# KiCad board panel.opm-inline.kicad_pcb
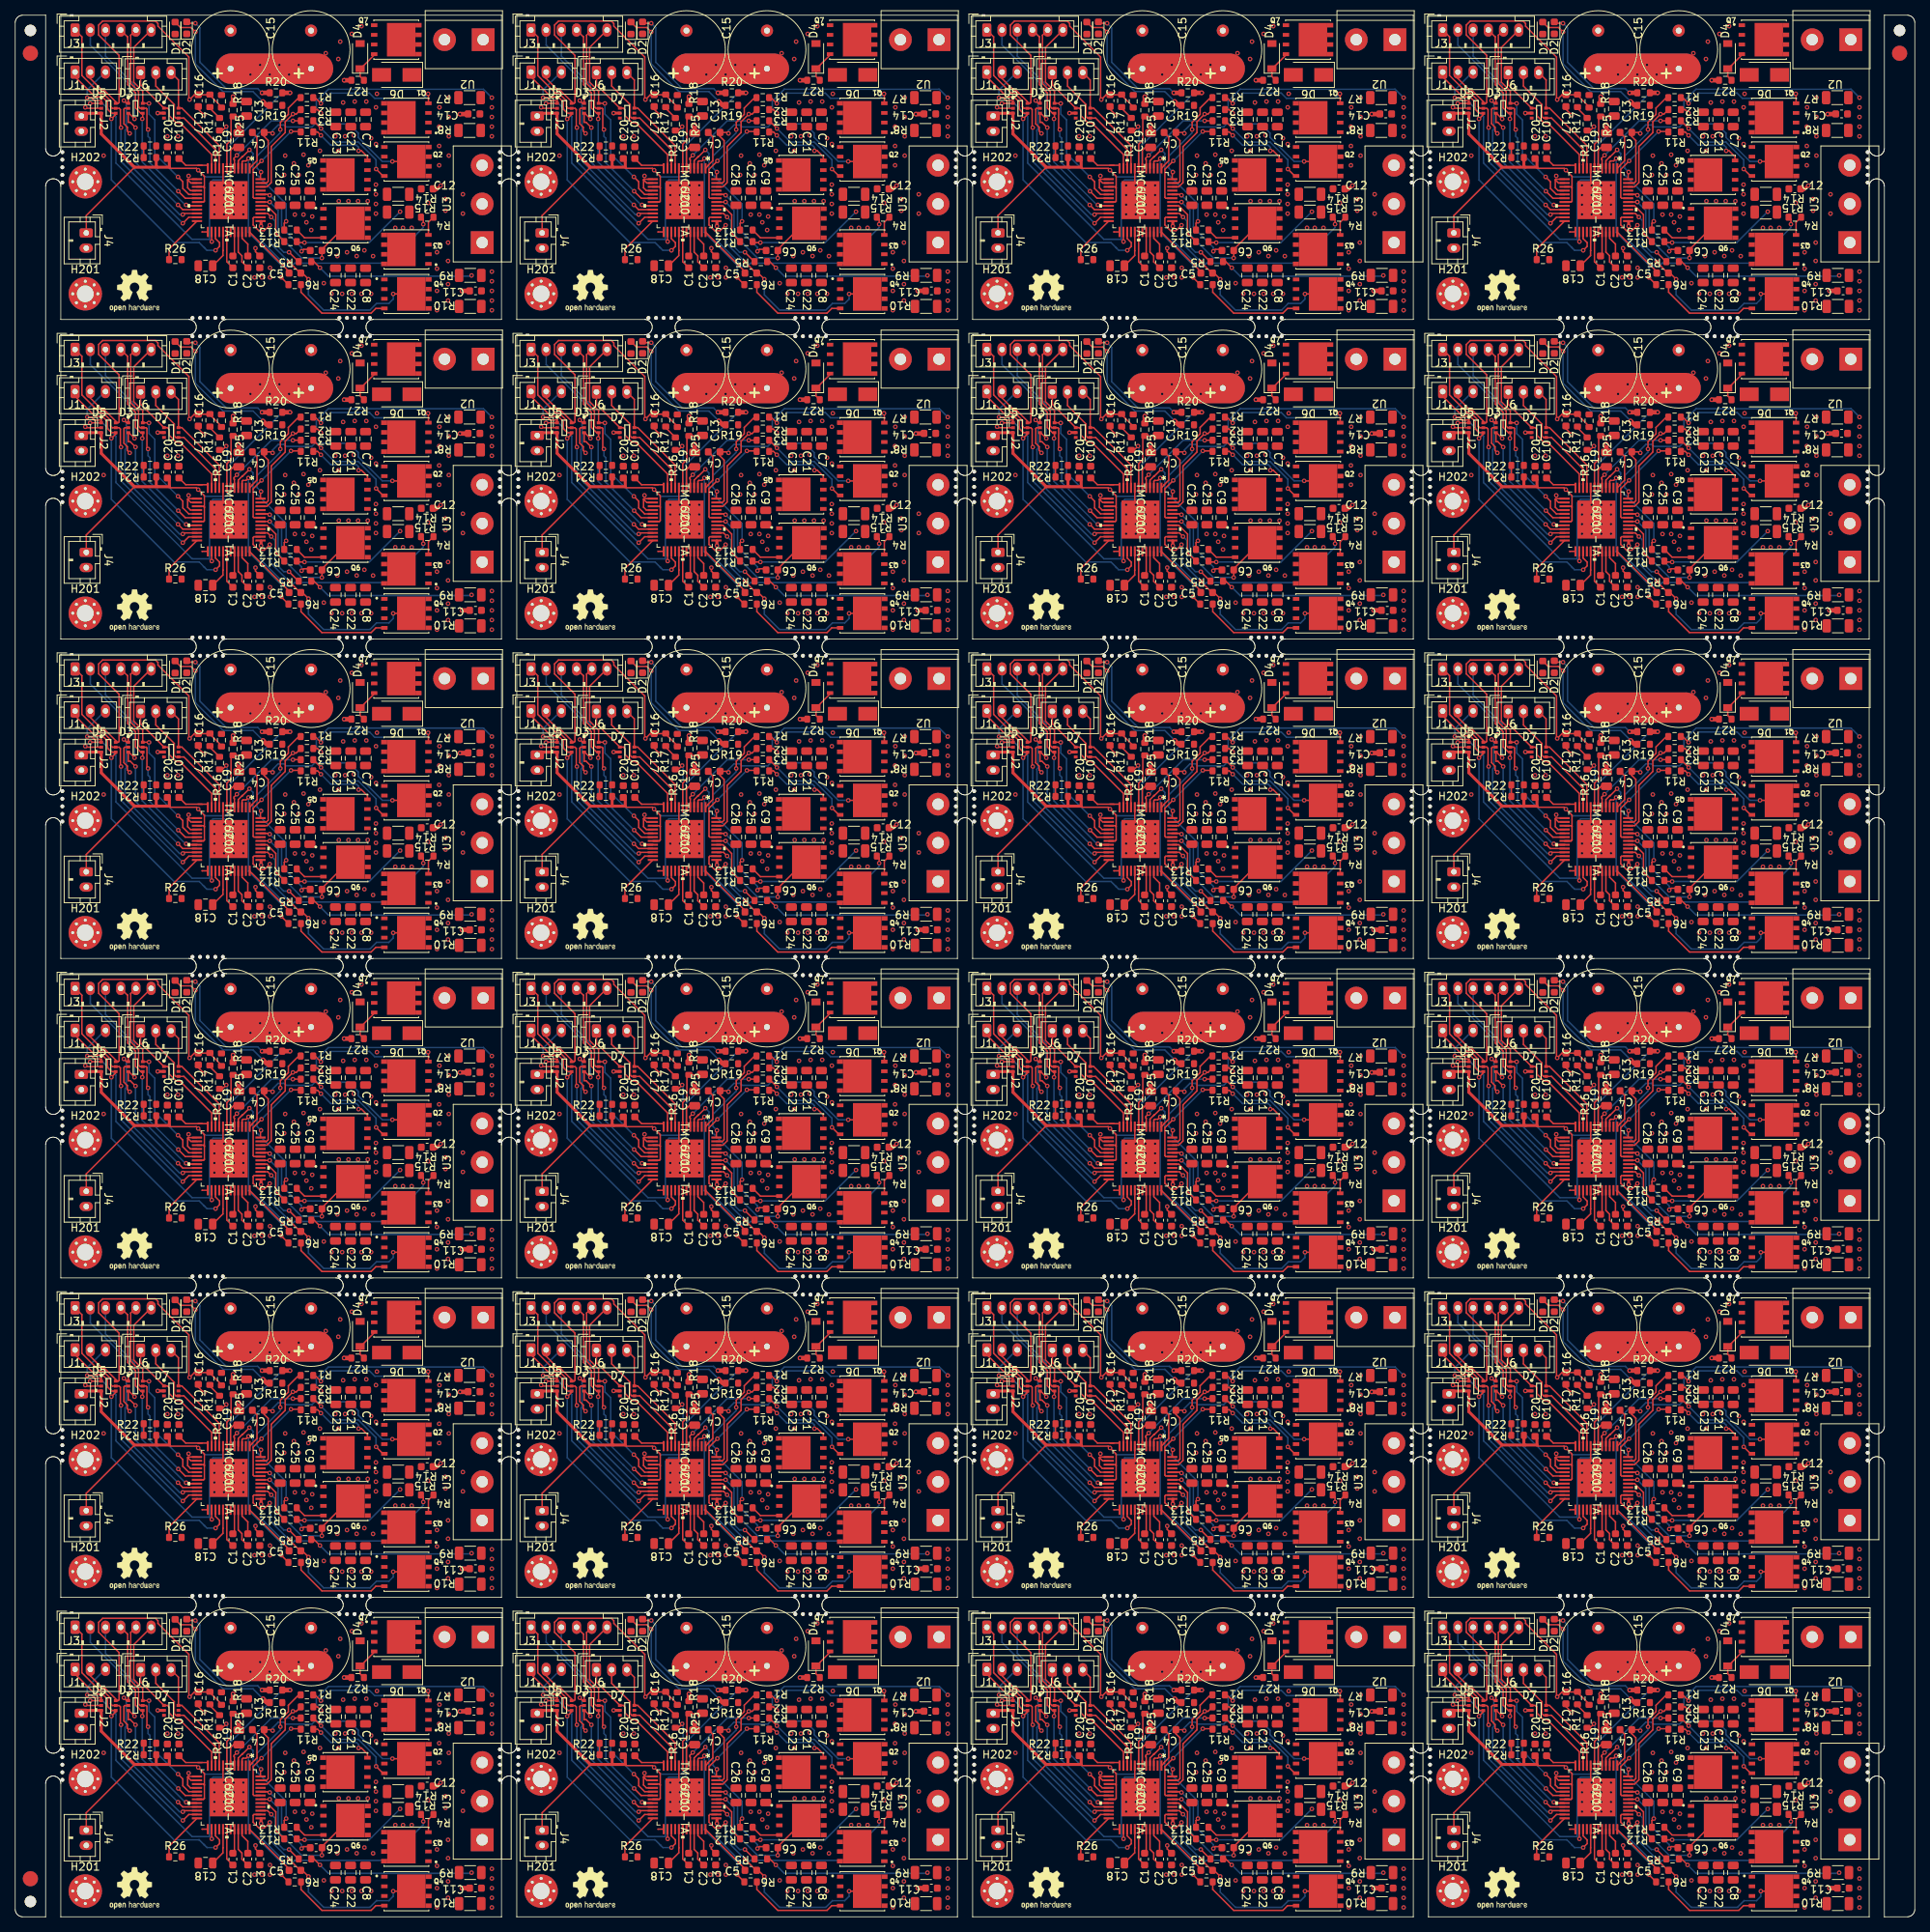
[diagram p0: board, top side]
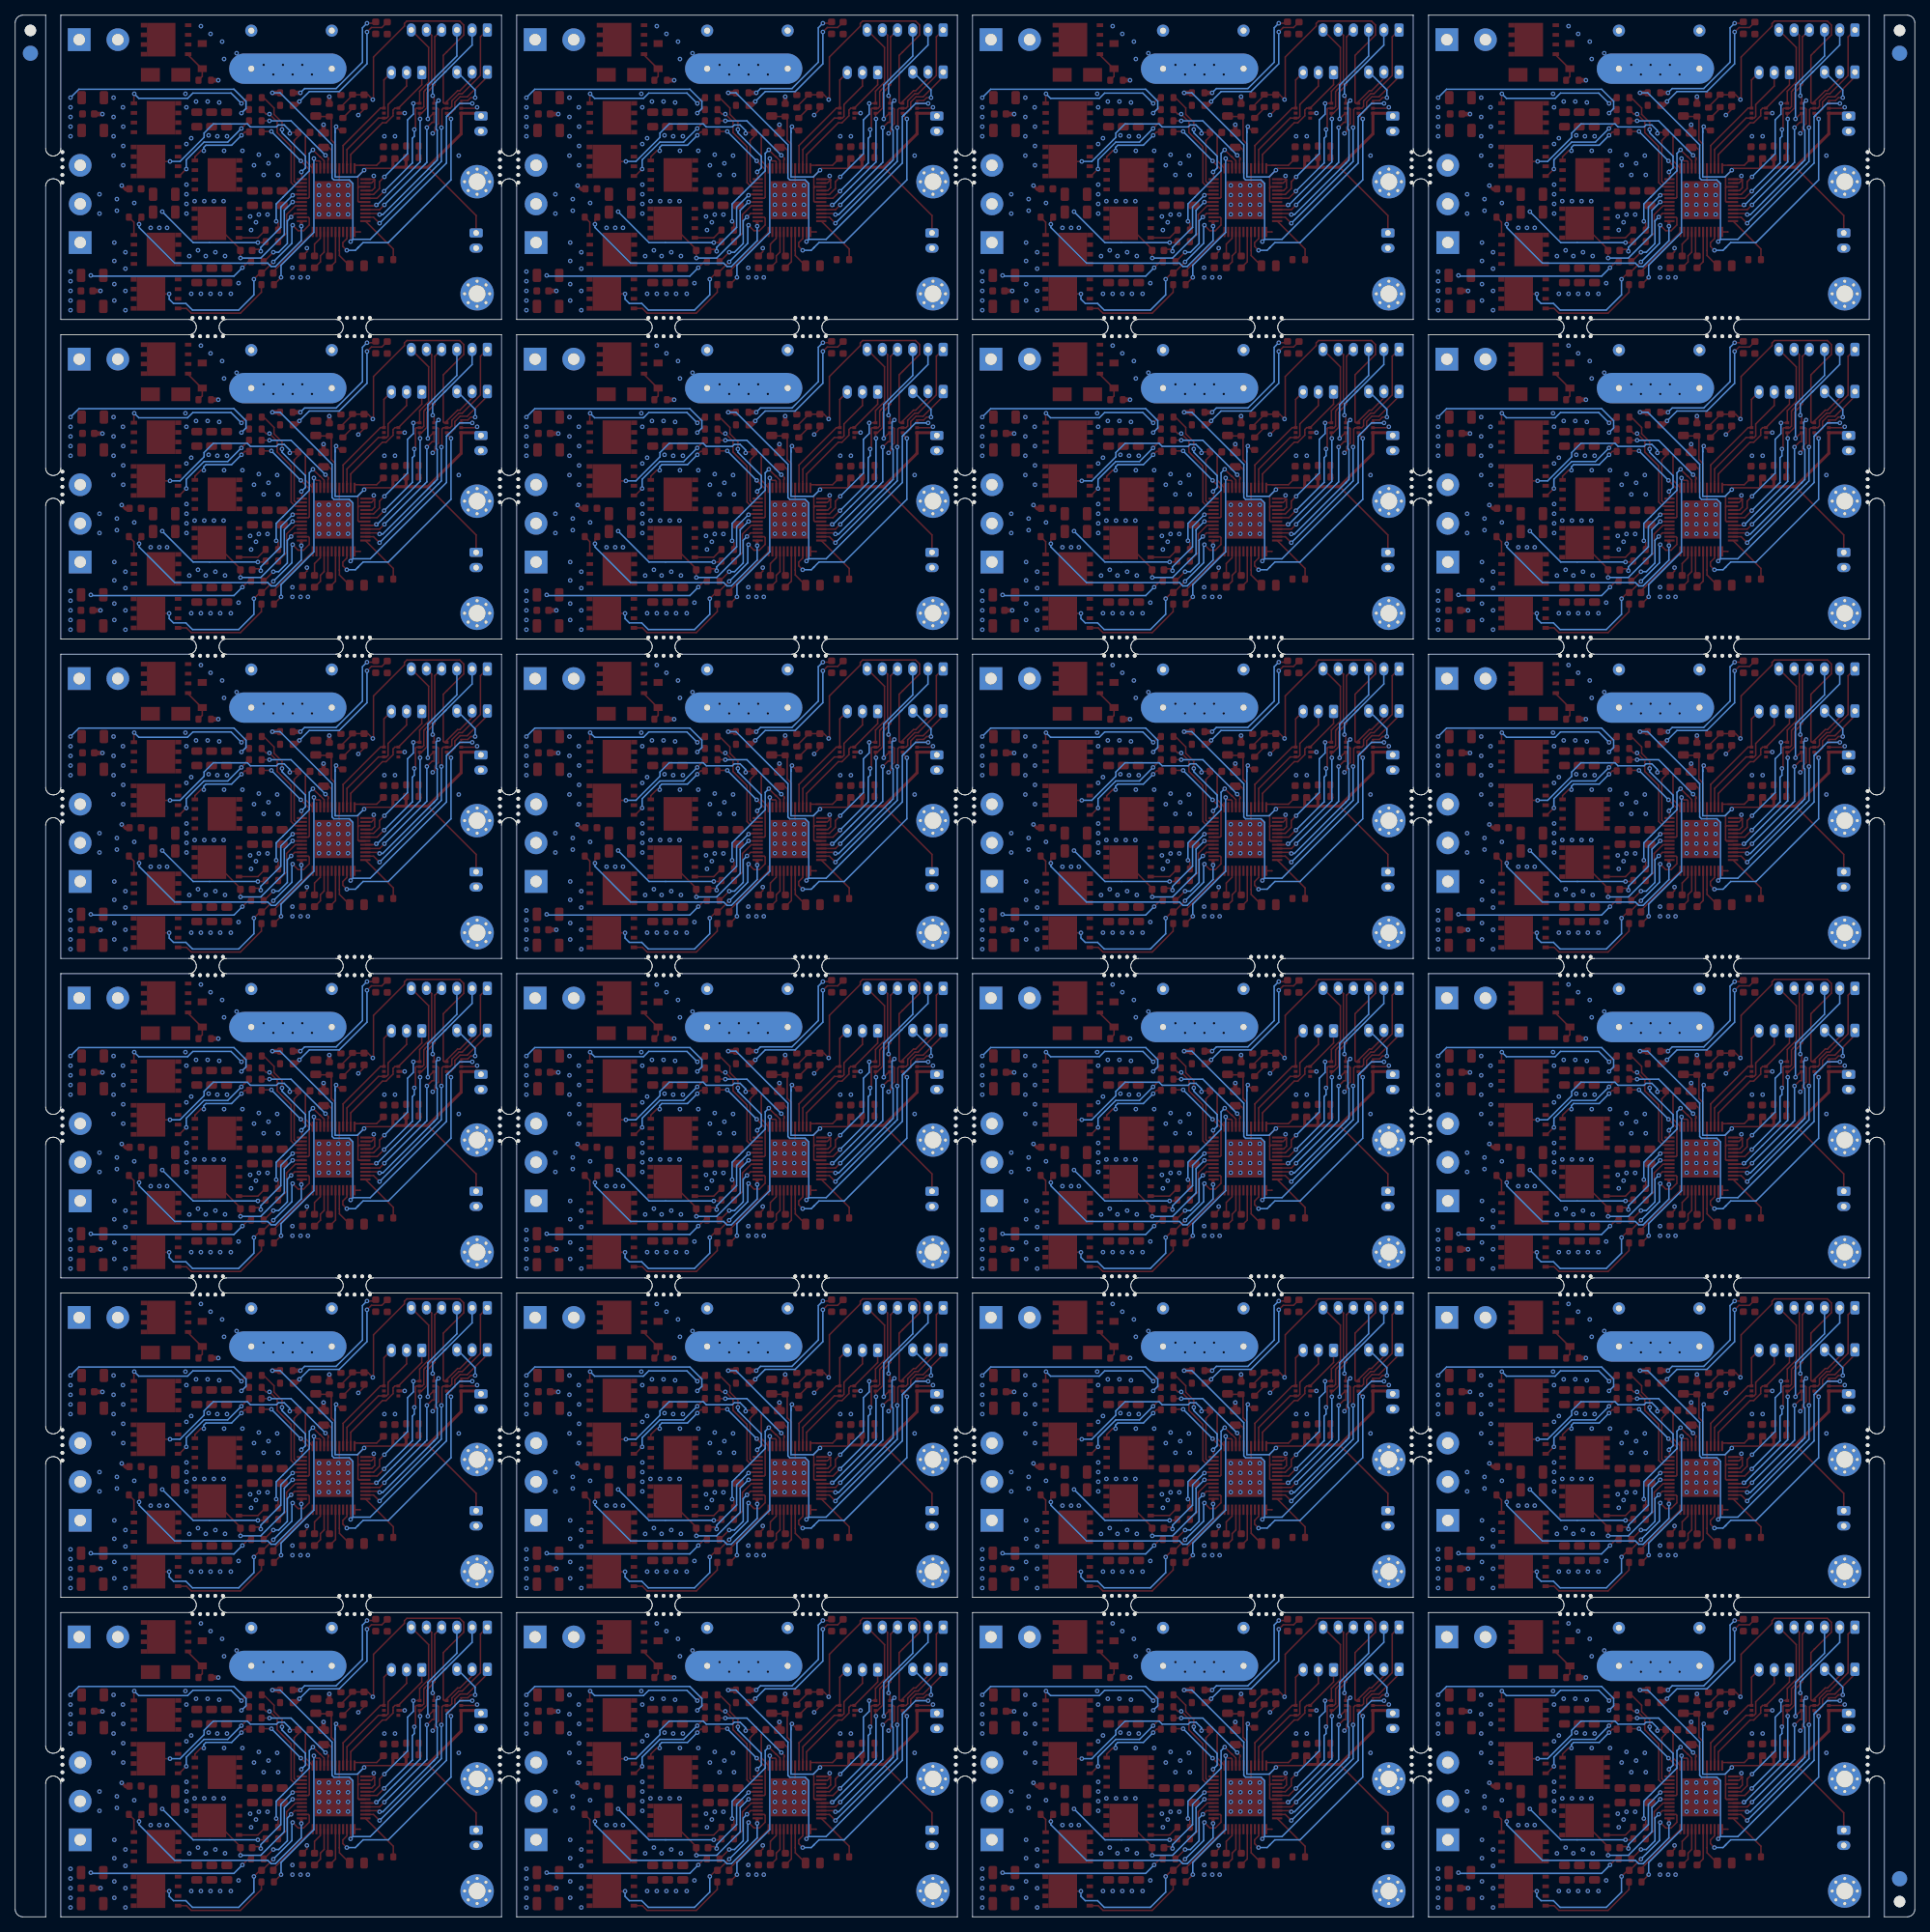
[diagram p1: board, bottom side, seen from below]

Outline 249.8 x 249.95 mm; copper layers: Top, In1.Cu, In2.Cu, Bottom. Coordinates in mm from the lower left corner of the outline.
Stack: Top 0.035mm / dielectric 0.48mm FR4 er 4.5 / In1.Cu 0.035mm / dielectric 0.48mm FR4 er 4.5 / In2.Cu 0.035mm / dielectric 0.48mm FR4 er 4.5 / Bottom 0.035mm

## Placement (name value [footprint] x y rotation side)
C1  22nF/100V  [C_0603_1608Metric]  28.62 175.54 90 top
C1#2  22nF/100V  [C_0603_1608Metric]  88.57 175.54 90 top
C1#3  22nF/100V  [C_0603_1608Metric]  148.52 49.57 90 top
C1#4  22nF/100V  [C_0603_1608Metric]  88.57 91.56 90 top
C1#5  22nF/100V  [C_0603_1608Metric]  148.52 91.56 90 top
C1#6  22nF/100V  [C_0603_1608Metric]  208.47 175.54 90 top
C1#7  22nF/100V  [C_0603_1608Metric]  88.57 217.53 90 top
C1#8  22nF/100V  [C_0603_1608Metric]  208.47 133.55 90 top
C1#9  22nF/100V  [C_0603_1608Metric]  148.52 217.53 90 top
C1#10  22nF/100V  [C_0603_1608Metric]  28.62 217.53 90 top
C1#11  22nF/100V  [C_0603_1608Metric]  208.47 7.58 90 top
C1#12  22nF/100V  [C_0603_1608Metric]  88.57 49.57 90 top
C1#13  22nF/100V  [C_0603_1608Metric]  148.52 7.58 90 top
C1#14  22nF/100V  [C_0603_1608Metric]  28.62 49.57 90 top
C1#15  22nF/100V  [C_0603_1608Metric]  88.57 133.55 90 top
C1#16  22nF/100V  [C_0603_1608Metric]  148.52 175.54 90 top
C1#17  22nF/100V  [C_0603_1608Metric]  208.47 91.56 90 top
C1#18  22nF/100V  [C_0603_1608Metric]  28.62 91.56 90 top
C1#19  22nF/100V  [C_0603_1608Metric]  208.47 49.57 90 top
C1#20  22nF/100V  [C_0603_1608Metric]  148.52 133.55 90 top
C1#21  22nF/100V  [C_0603_1608Metric]  88.57 7.58 90 top
C1#22  22nF/100V  [C_0603_1608Metric]  28.62 133.55 90 top
C1#23  22nF/100V  [C_0603_1608Metric]  208.47 217.53 90 top
C1#24  22nF/100V  [C_0603_1608Metric]  28.62 7.58 90 top
C2  100nF/100V  [C_0603_1608Metric]  150.49 7.58 90 top
C2#2  100nF/100V  [C_0603_1608Metric]  150.49 49.57 90 top
C2#3  100nF/100V  [C_0603_1608Metric]  30.59 217.53 90 top
C2#4  100nF/100V  [C_0603_1608Metric]  90.54 175.54 90 top
C2#5  100nF/100V  [C_0603_1608Metric]  90.54 133.55 90 top
C2#6  100nF/100V  [C_0603_1608Metric]  90.54 217.53 90 top
C2#7  100nF/100V  [C_0603_1608Metric]  210.44 217.53 90 top
C2#8  100nF/100V  [C_0603_1608Metric]  30.59 133.55 90 top
C2#9  100nF/100V  [C_0603_1608Metric]  150.49 217.53 90 top
C2#10  100nF/100V  [C_0603_1608Metric]  30.59 175.54 90 top
C2#11  100nF/100V  [C_0603_1608Metric]  210.44 91.56 90 top
C2#12  100nF/100V  [C_0603_1608Metric]  30.59 7.58 90 top
C2#13  100nF/100V  [C_0603_1608Metric]  210.44 133.55 90 top
C2#14  100nF/100V  [C_0603_1608Metric]  150.49 175.54 90 top
C2#15  100nF/100V  [C_0603_1608Metric]  210.44 175.54 90 top
C2#16  100nF/100V  [C_0603_1608Metric]  90.54 7.58 90 top
C2#17  100nF/100V  [C_0603_1608Metric]  90.54 91.56 90 top
C2#18  100nF/100V  [C_0603_1608Metric]  30.59 49.57 90 top
C2#19  100nF/100V  [C_0603_1608Metric]  210.44 7.58 90 top
C2#20  100nF/100V  [C_0603_1608Metric]  150.49 91.56 90 top
C2#21  100nF/100V  [C_0603_1608Metric]  30.59 91.56 90 top
C2#22  100nF/100V  [C_0603_1608Metric]  210.44 49.57 90 top
C2#23  100nF/100V  [C_0603_1608Metric]  150.49 133.55 90 top
C2#24  100nF/100V  [C_0603_1608Metric]  90.54 49.57 90 top
C3  100nF/100V  [C_0603_1608Metric]  32.16 175.54 90 top
C3#2  100nF/100V  [C_0603_1608Metric]  212.01 49.57 90 top
C3#3  100nF/100V  [C_0603_1608Metric]  92.11 49.57 90 top
C3#4  100nF/100V  [C_0603_1608Metric]  152.06 175.54 90 top
C3#5  100nF/100V  [C_0603_1608Metric]  92.11 133.55 90 top
C3#6  100nF/100V  [C_0603_1608Metric]  92.11 217.53 90 top
C3#7  100nF/100V  [C_0603_1608Metric]  152.06 49.57 90 top
C3#8  100nF/100V  [C_0603_1608Metric]  152.06 217.53 90 top
C3#9  100nF/100V  [C_0603_1608Metric]  212.01 91.56 90 top
C3#10  100nF/100V  [C_0603_1608Metric]  92.11 175.54 90 top
C3#11  100nF/100V  [C_0603_1608Metric]  212.01 7.58 90 top
C3#12  100nF/100V  [C_0603_1608Metric]  212.01 175.54 90 top
C3#13  100nF/100V  [C_0603_1608Metric]  32.16 91.56 90 top
C3#14  100nF/100V  [C_0603_1608Metric]  152.06 91.56 90 top
C3#15  100nF/100V  [C_0603_1608Metric]  32.16 7.58 90 top
C3#16  100nF/100V  [C_0603_1608Metric]  92.11 91.56 90 top
C3#17  100nF/100V  [C_0603_1608Metric]  152.06 7.58 90 top
C3#18  100nF/100V  [C_0603_1608Metric]  32.16 133.55 90 top
C3#19  100nF/100V  [C_0603_1608Metric]  32.16 49.57 90 top
C3#20  100nF/100V  [C_0603_1608Metric]  212.01 133.55 90 top
C3#21  100nF/100V  [C_0603_1608Metric]  32.16 217.53 90 top
C3#22  100nF/100V  [C_0603_1608Metric]  212.01 217.53 90 top
C3#23  100nF/100V  [C_0603_1608Metric]  92.11 7.58 90 top
C3#24  100nF/100V  [C_0603_1608Metric]  152.06 133.55 90 top
C4  4.7uF/16V  [C_0603_1608Metric]  91.91 150.56 180 top
C4#2  4.7uF/16V  [C_0603_1608Metric]  211.81 150.56 180 top
C4#3  4.7uF/16V  [C_0603_1608Metric]  31.96 24.59 180 top
C4#4  4.7uF/16V  [C_0603_1608Metric]  91.91 234.54 180 top
C4#5  4.7uF/16V  [C_0603_1608Metric]  151.86 108.57 180 top
C4#6  4.7uF/16V  [C_0603_1608Metric]  211.81 234.54 180 top
C4#7  4.7uF/16V  [C_0603_1608Metric]  31.96 108.57 180 top
C4#8  4.7uF/16V  [C_0603_1608Metric]  31.96 66.58 180 top
C4#9  4.7uF/16V  [C_0603_1608Metric]  211.81 108.57 180 top
C4#10  4.7uF/16V  [C_0603_1608Metric]  91.91 24.59 180 top
C4#11  4.7uF/16V  [C_0603_1608Metric]  151.86 192.55 180 top
C4#12  4.7uF/16V  [C_0603_1608Metric]  151.86 66.58 180 top
C4#13  4.7uF/16V  [C_0603_1608Metric]  91.91 66.58 180 top
C4#14  4.7uF/16V  [C_0603_1608Metric]  151.86 150.56 180 top
C4#15  4.7uF/16V  [C_0603_1608Metric]  151.86 234.54 180 top
C4#16  4.7uF/16V  [C_0603_1608Metric]  91.91 192.55 180 top
C4#17  4.7uF/16V  [C_0603_1608Metric]  31.96 150.56 180 top
C4#18  4.7uF/16V  [C_0603_1608Metric]  211.81 66.58 180 top
C4#19  4.7uF/16V  [C_0603_1608Metric]  31.96 234.54 180 top
C4#20  4.7uF/16V  [C_0603_1608Metric]  211.81 24.59 180 top
C4#21  4.7uF/16V  [C_0603_1608Metric]  151.86 24.59 180 top
C4#22  4.7uF/16V  [C_0603_1608Metric]  31.96 192.55 180 top
C4#23  4.7uF/16V  [C_0603_1608Metric]  211.81 192.55 180 top
C4#24  4.7uF/16V  [C_0603_1608Metric]  91.91 108.57 180 top
C5  4.7UF/16V  [C_0603_1608Metric]  36.79 174.07 0 top
C5#2  4.7UF/16V  [C_0603_1608Metric]  36.79 48.1 0 top
C5#3  4.7UF/16V  [C_0603_1608Metric]  216.64 216.06 0 top
C5#4  4.7UF/16V  [C_0603_1608Metric]  96.74 6.11 0 top
C5#5  4.7UF/16V  [C_0603_1608Metric]  36.79 90.09 0 top
C5#6  4.7UF/16V  [C_0603_1608Metric]  156.69 216.06 0 top
C5#7  4.7UF/16V  [C_0603_1608Metric]  216.64 90.09 0 top
C5#8  4.7UF/16V  [C_0603_1608Metric]  96.74 132.08 0 top
C5#9  4.7UF/16V  [C_0603_1608Metric]  156.69 90.09 0 top
C5#10  4.7UF/16V  [C_0603_1608Metric]  216.64 6.11 0 top
C5#11  4.7UF/16V  [C_0603_1608Metric]  36.79 132.08 0 top
C5#12  4.7UF/16V  [C_0603_1608Metric]  36.79 6.11 0 top
C5#13  4.7UF/16V  [C_0603_1608Metric]  36.79 216.06 0 top
C5#14  4.7UF/16V  [C_0603_1608Metric]  156.69 6.11 0 top
C5#15  4.7UF/16V  [C_0603_1608Metric]  216.64 48.1 0 top
C5#16  4.7UF/16V  [C_0603_1608Metric]  216.64 132.08 0 top
C5#17  4.7UF/16V  [C_0603_1608Metric]  96.74 174.07 0 top
C5#18  4.7UF/16V  [C_0603_1608Metric]  156.69 174.07 0 top
C5#19  4.7UF/16V  [C_0603_1608Metric]  156.69 132.08 0 top
C5#20  4.7UF/16V  [C_0603_1608Metric]  96.74 48.1 0 top
C5#21  4.7UF/16V  [C_0603_1608Metric]  156.69 48.1 0 top
C5#22  4.7UF/16V  [C_0603_1608Metric]  96.74 216.06 0 top
C5#23  4.7UF/16V  [C_0603_1608Metric]  216.64 174.07 0 top
C5#24  4.7UF/16V  [C_0603_1608Metric]  96.74 90.09 0 top
C6  4.7UF/16V  [C_0603_1608Metric]  159.47 93.06 180 top
C6#2  4.7UF/16V  [C_0603_1608Metric]  99.52 135.05 180 top
C6#3  4.7UF/16V  [C_0603_1608Metric]  159.47 219.03 180 top
C6#4  4.7UF/16V  [C_0603_1608Metric]  99.52 93.06 180 top
C6#5  4.7UF/16V  [C_0603_1608Metric]  99.52 51.07 180 top
C6#6  4.7UF/16V  [C_0603_1608Metric]  99.52 9.08 180 top
C6#7  4.7UF/16V  [C_0603_1608Metric]  159.47 51.07 180 top
C6#8  4.7UF/16V  [C_0603_1608Metric]  219.42 219.03 180 top
C6#9  4.7UF/16V  [C_0603_1608Metric]  99.52 219.03 180 top
C6#10  4.7UF/16V  [C_0603_1608Metric]  219.42 93.06 180 top
C6#11  4.7UF/16V  [C_0603_1608Metric]  159.47 177.04 180 top
C6#12  4.7UF/16V  [C_0603_1608Metric]  159.47 135.05 180 top
C6#13  4.7UF/16V  [C_0603_1608Metric]  219.42 135.05 180 top
C6#14  4.7UF/16V  [C_0603_1608Metric]  219.42 177.04 180 top
C6#15  4.7UF/16V  [C_0603_1608Metric]  39.57 177.04 180 top
C6#16  4.7UF/16V  [C_0603_1608Metric]  39.57 93.06 180 top
C6#17  4.7UF/16V  [C_0603_1608Metric]  39.57 51.07 180 top
C6#18  4.7UF/16V  [C_0603_1608Metric]  39.57 9.08 180 top
C6#19  4.7UF/16V  [C_0603_1608Metric]  219.42 51.07 180 top
C6#20  4.7UF/16V  [C_0603_1608Metric]  99.52 177.04 180 top
C6#21  4.7UF/16V  [C_0603_1608Metric]  219.42 9.08 180 top
C6#22  4.7UF/16V  [C_0603_1608Metric]  159.47 9.08 180 top
C6#23  4.7UF/16V  [C_0603_1608Metric]  39.57 219.03 180 top
C6#24  4.7UF/16V  [C_0603_1608Metric]  39.57 135.05 180 top
C7  1uF/100V  [C_0805_2012Metric]  46.07 26.31 270 top
C7#2  1uF/100V  [C_0805_2012Metric]  165.97 26.31 270 top
C7#3  1uF/100V  [C_0805_2012Metric]  225.92 236.26 270 top
C7#4  1uF/100V  [C_0805_2012Metric]  106.02 152.28 270 top
C7#5  1uF/100V  [C_0805_2012Metric]  165.97 194.27 270 top
C7#6  1uF/100V  [C_0805_2012Metric]  225.92 194.27 270 top
C7#7  1uF/100V  [C_0805_2012Metric]  106.02 110.29 270 top
C7#8  1uF/100V  [C_0805_2012Metric]  225.92 68.3 270 top
C7#9  1uF/100V  [C_0805_2012Metric]  106.02 26.31 270 top
C7#10  1uF/100V  [C_0805_2012Metric]  46.07 110.29 270 top
C7#11  1uF/100V  [C_0805_2012Metric]  225.92 110.29 270 top
C7#12  1uF/100V  [C_0805_2012Metric]  106.02 194.27 270 top
C7#13  1uF/100V  [C_0805_2012Metric]  165.97 236.26 270 top
C7#14  1uF/100V  [C_0805_2012Metric]  106.02 68.3 270 top
C7#15  1uF/100V  [C_0805_2012Metric]  46.07 152.28 270 top
C7#16  1uF/100V  [C_0805_2012Metric]  46.07 194.27 270 top
C7#17  1uF/100V  [C_0805_2012Metric]  46.07 68.3 270 top
C7#18  1uF/100V  [C_0805_2012Metric]  165.97 68.3 270 top
C7#19  1uF/100V  [C_0805_2012Metric]  225.92 152.28 270 top
C7#20  1uF/100V  [C_0805_2012Metric]  165.97 152.28 270 top
C7#21  1uF/100V  [C_0805_2012Metric]  225.92 26.31 270 top
C7#22  1uF/100V  [C_0805_2012Metric]  106.02 236.26 270 top
C7#23  1uF/100V  [C_0805_2012Metric]  165.97 110.29 270 top
C7#24  1uF/100V  [C_0805_2012Metric]  46.07 236.26 270 top
C8  1uF/100V  [C_0805_2012Metric]  225.92 131.78 270 top
C8#2  1uF/100V  [C_0805_2012Metric]  165.97 5.81 270 top
C8#3  1uF/100V  [C_0805_2012Metric]  106.02 215.76 270 top
C8#4  1uF/100V  [C_0805_2012Metric]  106.02 47.8 270 top
C8#5  1uF/100V  [C_0805_2012Metric]  225.92 5.81 270 top
C8#6  1uF/100V  [C_0805_2012Metric]  106.02 173.77 270 top
C8#7  1uF/100V  [C_0805_2012Metric]  165.97 47.8 270 top
C8#8  1uF/100V  [C_0805_2012Metric]  46.07 5.81 270 top
C8#9  1uF/100V  [C_0805_2012Metric]  165.97 131.78 270 top
C8#10  1uF/100V  [C_0805_2012Metric]  165.97 173.77 270 top
C8#11  1uF/100V  [C_0805_2012Metric]  165.97 215.76 270 top
C8#12  1uF/100V  [C_0805_2012Metric]  106.02 89.79 270 top
C8#13  1uF/100V  [C_0805_2012Metric]  106.02 5.81 270 top
C8#14  1uF/100V  [C_0805_2012Metric]  46.07 131.78 270 top
C8#15  1uF/100V  [C_0805_2012Metric]  106.02 131.78 270 top
C8#16  1uF/100V  [C_0805_2012Metric]  46.07 47.8 270 top
C8#17  1uF/100V  [C_0805_2012Metric]  225.92 89.79 270 top
C8#18  1uF/100V  [C_0805_2012Metric]  165.97 89.79 270 top
C8#19  1uF/100V  [C_0805_2012Metric]  225.92 215.76 270 top
C8#20  1uF/100V  [C_0805_2012Metric]  225.92 173.77 270 top
C8#21  1uF/100V  [C_0805_2012Metric]  46.07 89.79 270 top
C8#22  1uF/100V  [C_0805_2012Metric]  46.07 215.76 270 top
C8#23  1uF/100V  [C_0805_2012Metric]  225.92 47.8 270 top
C8#24  1uF/100V  [C_0805_2012Metric]  46.07 173.77 270 top
C9  1uF/100V  [C_0805_2012Metric]  218.6 15.97 270 top
C9#2  1uF/100V  [C_0805_2012Metric]  38.75 57.96 270 top
C9#3  1uF/100V  [C_0805_2012Metric]  158.65 183.93 270 top
C9#4  1uF/100V  [C_0805_2012Metric]  158.65 99.95 270 top
C9#5  1uF/100V  [C_0805_2012Metric]  158.65 141.94 270 top
C9#6  1uF/100V  [C_0805_2012Metric]  98.7 225.92 270 top
C9#7  1uF/100V  [C_0805_2012Metric]  98.7 99.95 270 top
C9#8  1uF/100V  [C_0805_2012Metric]  218.6 225.92 270 top
C9#9  1uF/100V  [C_0805_2012Metric]  98.7 183.93 270 top
C9#10  1uF/100V  [C_0805_2012Metric]  38.75 15.97 270 top
C9#11  1uF/100V  [C_0805_2012Metric]  38.75 225.92 270 top
C9#12  1uF/100V  [C_0805_2012Metric]  98.7 141.94 270 top
C9#13  1uF/100V  [C_0805_2012Metric]  158.65 57.96 270 top
C9#14  1uF/100V  [C_0805_2012Metric]  218.6 99.95 270 top
C9#15  1uF/100V  [C_0805_2012Metric]  38.75 99.95 270 top
C9#16  1uF/100V  [C_0805_2012Metric]  218.6 141.94 270 top
C9#17  1uF/100V  [C_0805_2012Metric]  98.7 57.96 270 top
C9#18  1uF/100V  [C_0805_2012Metric]  38.75 141.94 270 top
C9#19  1uF/100V  [C_0805_2012Metric]  218.6 183.93 270 top
C9#20  1uF/100V  [C_0805_2012Metric]  218.6 57.96 270 top
C9#21  1uF/100V  [C_0805_2012Metric]  158.65 15.97 270 top
C9#22  1uF/100V  [C_0805_2012Metric]  98.7 15.97 270 top
C9#23  1uF/100V  [C_0805_2012Metric]  38.75 183.93 270 top
C9#24  1uF/100V  [C_0805_2012Metric]  158.65 225.92 270 top
C10  100nF/50V  [C_0603_1608Metric]  21.53 147.91 90 top
C10#2  100nF/50V  [C_0603_1608Metric]  81.48 63.93 90 top
C10#3  100nF/50V  [C_0603_1608Metric]  81.48 147.91 90 top
C10#4  100nF/50V  [C_0603_1608Metric]  141.43 21.94 90 top
C10#5  100nF/50V  [C_0603_1608Metric]  141.43 105.92 90 top
C10#6  100nF/50V  [C_0603_1608Metric]  81.48 21.94 90 top
C10#7  100nF/50V  [C_0603_1608Metric]  81.48 189.9 90 top
C10#8  100nF/50V  [C_0603_1608Metric]  21.53 21.94 90 top
C10#9  100nF/50V  [C_0603_1608Metric]  81.48 105.92 90 top
C10#10  100nF/50V  [C_0603_1608Metric]  21.53 63.93 90 top
C10#11  100nF/50V  [C_0603_1608Metric]  201.38 21.94 90 top
C10#12  100nF/50V  [C_0603_1608Metric]  201.38 231.89 90 top
C10#13  100nF/50V  [C_0603_1608Metric]  21.53 231.89 90 top
C10#14  100nF/50V  [C_0603_1608Metric]  201.38 189.9 90 top
C10#15  100nF/50V  [C_0603_1608Metric]  141.43 231.89 90 top
C10#16  100nF/50V  [C_0603_1608Metric]  201.38 105.92 90 top
C10#17  100nF/50V  [C_0603_1608Metric]  141.43 147.91 90 top
C10#18  100nF/50V  [C_0603_1608Metric]  141.43 63.93 90 top
C10#19  100nF/50V  [C_0603_1608Metric]  201.38 63.93 90 top
C10#20  100nF/50V  [C_0603_1608Metric]  21.53 189.9 90 top
C10#21  100nF/50V  [C_0603_1608Metric]  81.48 231.89 90 top
C10#22  100nF/50V  [C_0603_1608Metric]  21.53 105.92 90 top
C10#23  100nF/50V  [C_0603_1608Metric]  141.43 189.9 90 top
C10#24  100nF/50V  [C_0603_1608Metric]  201.38 147.91 90 top
C11  1nF/100V  [C_0603_1608Metric]  120.49 45.76 180 top
C11#2  1nF/100V  [C_0603_1608Metric]  180.44 87.75 180 top
C11#3  1nF/100V  [C_0603_1608Metric]  60.54 171.73 180 top
C11#4  1nF/100V  [C_0603_1608Metric]  240.39 129.74 180 top
C11#5  1nF/100V  [C_0603_1608Metric]  180.44 45.76 180 top
C11#6  1nF/100V  [C_0603_1608Metric]  120.49 213.72 180 top
C11#7  1nF/100V  [C_0603_1608Metric]  180.44 129.74 180 top
C11#8  1nF/100V  [C_0603_1608Metric]  120.49 171.73 180 top
C11#9  1nF/100V  [C_0603_1608Metric]  180.44 3.77 180 top
C11#10  1nF/100V  [C_0603_1608Metric]  180.44 171.73 180 top
C11#11  1nF/100V  [C_0603_1608Metric]  60.54 45.76 180 top
C11#12  1nF/100V  [C_0603_1608Metric]  240.39 87.75 180 top
C11#13  1nF/100V  [C_0603_1608Metric]  240.39 3.77 180 top
C11#14  1nF/100V  [C_0603_1608Metric]  120.49 129.74 180 top
C11#15  1nF/100V  [C_0603_1608Metric]  240.39 171.73 180 top
C11#16  1nF/100V  [C_0603_1608Metric]  240.39 45.76 180 top
C11#17  1nF/100V  [C_0603_1608Metric]  60.54 3.77 180 top
C11#18  1nF/100V  [C_0603_1608Metric]  120.49 3.77 180 top
C11#19  1nF/100V  [C_0603_1608Metric]  60.54 87.75 180 top
C11#20  1nF/100V  [C_0603_1608Metric]  60.54 213.72 180 top
C11#21  1nF/100V  [C_0603_1608Metric]  120.49 87.75 180 top
C11#22  1nF/100V  [C_0603_1608Metric]  240.39 213.72 180 top
C11#23  1nF/100V  [C_0603_1608Metric]  60.54 129.74 180 top
C11#24  1nF/100V  [C_0603_1608Metric]  180.44 213.72 180 top
C12  1nF/100V  [C_0603_1608Metric]  54.17 143.15 0 top
C12#2  1nF/100V  [C_0603_1608Metric]  54.17 59.17 0 top
C12#3  1nF/100V  [C_0603_1608Metric]  174.07 17.18 0 top
C12#4  1nF/100V  [C_0603_1608Metric]  234.02 101.16 0 top
C12#5  1nF/100V  [C_0603_1608Metric]  234.02 59.17 0 top
C12#6  1nF/100V  [C_0603_1608Metric]  114.12 185.14 0 top
C12#7  1nF/100V  [C_0603_1608Metric]  114.12 143.15 0 top
C12#8  1nF/100V  [C_0603_1608Metric]  234.02 227.13 0 top
C12#9  1nF/100V  [C_0603_1608Metric]  174.07 227.13 0 top
C12#10  1nF/100V  [C_0603_1608Metric]  234.02 143.15 0 top
C12#11  1nF/100V  [C_0603_1608Metric]  234.02 17.18 0 top
C12#12  1nF/100V  [C_0603_1608Metric]  54.17 227.13 0 top
C12#13  1nF/100V  [C_0603_1608Metric]  114.12 101.16 0 top
C12#14  1nF/100V  [C_0603_1608Metric]  174.07 101.16 0 top
C12#15  1nF/100V  [C_0603_1608Metric]  114.12 59.17 0 top
C12#16  1nF/100V  [C_0603_1608Metric]  234.02 185.14 0 top
C12#17  1nF/100V  [C_0603_1608Metric]  54.17 185.14 0 top
C12#18  1nF/100V  [C_0603_1608Metric]  54.17 101.16 0 top
C12#19  1nF/100V  [C_0603_1608Metric]  114.12 17.18 0 top
C12#20  1nF/100V  [C_0603_1608Metric]  54.17 17.18 0 top
C12#21  1nF/100V  [C_0603_1608Metric]  174.07 185.14 0 top
C12#22  1nF/100V  [C_0603_1608Metric]  174.07 59.17 0 top
C12#23  1nF/100V  [C_0603_1608Metric]  174.07 143.15 0 top
C12#24  1nF/100V  [C_0603_1608Metric]  114.12 227.13 0 top
C13  2.2uF/50V  [C_0805_2012Metric]  90.37 237.65 90 top
C13#2  2.2uF/50V  [C_0805_2012Metric]  150.32 111.68 90 top
C13#3  2.2uF/50V  [C_0805_2012Metric]  150.32 237.65 90 top